# Altium PCB UHVValveCtrlv1.PcbDoc (continued)
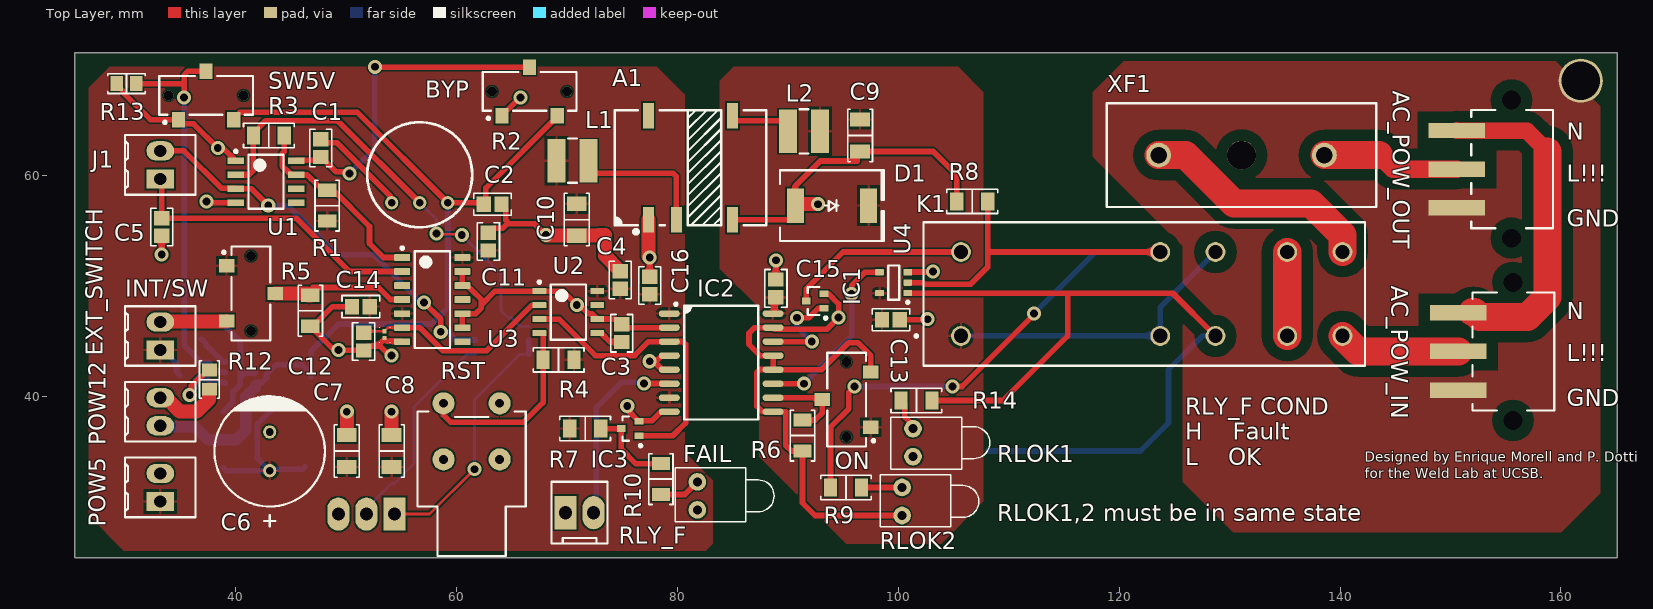
[diagram p0: Top Layer view]
## Part data (continued)
EXT_SWITCH J1 POW5 POW12: "TERM BLOCK 2POS SIDE ENT 2.54MM", Colour=Green, Manufacturer="TE Connectivity AMP Connectors", Supplier Part Number 1=A98333-ND, TemperatureRange="-40C ~ 105C", Voltage=150V, ComponentLink1Description=Datasheet, ComponentLink1URL=http://www.te.com/commerce/DocumentDelivery/DDEController?Action=srchrtrv&DocNm=282834&DocType=Customer+Drawing&DocLang=English, ComponentLink2Description="Digi-Key Listing", ComponentLink2URL=http://www.digikey.ca/product-detail/en/282834-2/A98333-ND/1150135, Number Of Levels=1, Orientation="Horizontal with Board", PartId=9289, Part Number=282834-2, Pitch="0.100\" (2.54mm)", Positions Per Level=2, Price=1.3, Supplier 1=Digi-Key
FAIL: library part LED1, "Typical RED GaAs LED", LatestRevisionDate=08-Jul-2005, LatestRevisionNote="Mech Layer 1 removed.", PackageDescription="LED; 2 Leads", PackageReference=LED-1, Published=8-Jun-2000, Publisher="Altium Limited"
IC1 IC3: "MOSFET N-CH 60V 280MA SOT-323", Current Continuous Drain="280mA (Ta)", Device Package="SC-70, SOT-323", Drain to Source Voltage (Vdss)=60V, Input Capacitance (Ciss) at Vds="43pF @ 25V", Manufacturer="Infineon Technologies", Power - Max=500mW, Supplier Part Number 1=BSS138WH6327XTSA1TR-ND, ComponentLink1Description=Datasheet, ComponentLink1URL=http://www.infineon.com/dgdl/Infineon-BSS138W-DS-v02_43-en.pdf?fileId=db3a304335113a6301351e62fcb4131f, ComponentLink2Description="Digi-Key Listing", ComponentLink2URL=http://www.digikey.com/product-detail/en/BSS138WH6327XTSA1/BSS138WH6327XTSA1TR-ND/5410120, Features="Logic Level Gate", Gate Charge (Qg)="1.5nC @ 10V", PartId=8084, Part Number=BSS138WH6327XTSA1, Price=0.0483, Rds On (Max) at Id, Vgs="3.5 Ohm @ 200mA, 10V", Supplier 1=Digi-Key, Type="MOSFET N-Channel, Metal Oxide", Vgs(th) (Max) at Id="1.4V @ 26uA"
IC2: library part Si8641BB-B-IS, "DGTL ISO 2.5KV GEN PURP 16SOIC", Device Package="16-SOIC (0.295\", 7.50mm Width)", Isolated Power=No, Manufacturer="Silicon Labs", Operating Temperature="-40C ~ 125C", Supplier Part Number 1=SI8641BB-B-IS-ND, Voltage - Isolation=2500Vrms, Voltage - Supply="2.5 V ~ 5.5 V", Channel Type=Unidirectional, Common Mode Transient Immunity (Min)=35kV/us, ComponentLink1Description=Datasheet, ComponentLink1URL=http://www.silabs.com/Support%20Documents/TechnicalDocs/Si864x.pdf, ComponentLink2Description="Digi-Key Listing", ComponentLink2URL=https://www.digikey.com/product-detail/en/silicon-labs/SI8641BB-B-IS/SI8641BB-B-IS-ND/4576743, Data Rate=150Mbps, Inputs - Side 1/Side2=3/1, Number of Channels=4, PartId=14408, Part Number=SI8641BB-B-IS, Price=3.81, Propagation Delay tpLH/tpHL (Max)="13ns, 13ns", Pulse Width Distortion (Max)=4.5ns, Rise / Fall Time (Typ)="2.5ns, 2.5ns", Supplier 1=Digi-Key, Technology="Capacitive Coupling", Type="General Purpose"
IC4: "IC REG BUCK ADJ 3A SYNC", Current Output=3A, Device Package="SOT-23-6 Thin, TSOT-23-6", Frequency - Switching=580kHz, Manufacturer="Texas Instruments", Operating Temperature="-45C ~ 125C (TJ)", Supplier Part Number 1=296-43393-2-ND, Voltage - Input (Max)=17V, Voltage - Input (Min)=4.5V, Voltage - Output (Max)=7V, Voltage - Output (Min/Fixed)=0.768V, ComponentLink1Description=Datasheet, ComponentLink1URL=http://www.ti.com/lit/ds/symlink/tps563201.pdf, ComponentLink2Description="Digi-Key Listing", ComponentLink2URL=http://www.digikey.com/product-detail/en/texas-instruments/TPS563201DDCT/296-43393-2-ND/5813458, Function=Step-Down, Number Of Outputs=1, Output Configuration=Positive, Output Type=Adjustable, PartId=16367, Part Number=TPS563201DDCT, Price=0.8901, Series="D-CAP2, Eco-Mode", Supplier 1=Digi-Key, Synchronous Rectifier=Yes, Topology=Buck, Type="DC DC Switching Regulators"
J2: library part 0022272031, "CONN HEADER 3POS .100 VERT TIN", Colour=Natural, Manufacturer="Molex, LLC", Supplier Part Number 1=WM4112-ND, ComponentLink1Description=Datasheet, ComponentLink1URL=http://www.molex.com/pdm_docs/sd/022272031_sd.pdf, ComponentLink2Description="Digi-Key Listing", ComponentLink2URL=http://www.digikey.com/product-search/en?keywords=22-27-2031, Contact Finish=Tin, Fastening Type="Friction Lock", Number Of Positions=3, Number Of Rows=1, Part Number=0022272031, PartId=9720, Pitch="0.100\" (2.54mm)", Price=0.35, Series="KK 6410", Supplier 1=Digi-Key, Type="Header, Unshrouded"
K1: library part CMP-1684-00019-1, "Force Guided Relay SR4 D/M, 5 V, 8 A, -25 to 70 degC, 10-Pin THD, RoHS, Box and Tube", Coil Current=33.33mA, Coil Resistance=720ohm, Coil Voltage DC=24V, Contact Current Rating=8A, Dropout Volt=2.4VDC, Manufacturer="TE Connectivity", Maximum Power Rating=2KVA, Operating Temp Range=-25Cto70C, Package / Case=DustCover, Package Description="10-Pin Through Hole device, Body 40 x 13 mm", Package Reference=THD, Pick-up Voltage (Max)=18VDC, Supplier Part Number 1=PB998-ND, Voltage Rating (VAC)=400V, Coil Suppression Diode=No, Contact Arrangement=DPST-NO/DPST-NC, Contact Form=2FormA/2FormB, Contact Material=AgSnO2, Datasheet URL=http://www.te.com/commerce/DocumentDelivery/DDEController?Action=showdoc&DocId=Data+Sheet%7FSR4_D%2FM%7F0415%7Fpdf%7FEnglish%7FENG_DS_SR4_DXM_0415.pdf%7F3-1415055-1, Datasheet Version="Rev. 0415", Dropout Volt (Min)=2.4VDC, LED Indicator=No, Manufacturer URL=http://www.te.com, Mounting Style=ThroughHole, Packaging=Tube, Pin Count=10, Product Depth (mm)=13mm, Product Height (mm)=16.5mm, Product Length (mm)=40mm, Push To Test Button=No, Rad Hardened=No, Relay Construction=Non-Latching, Seal=Unsealed, Supplier 1=Digi-Key, Supplier 2=Newark, Supplier Part Number 2=57AC7430, Termination Style=PCPin, Type=SafetyRelay
L1: "FIXED IND 4.7UH 1.43A 87 MOHM", Current - Saturation=1.43A, DC Resistance (DCR)="87 mOhm Max", Device Package=Nonstandard, Inductance=4.7uH, Manufacturer="TDK Corporation", Operating Temperature="-40C ~ 105C", Supplier Part Number 1=445-8737-2-ND, Tolerance=30%, ComponentLink1Description=Datasheet, ComponentLink1URL=https://product.tdk.com/info/en/catalog/datasheets/inductor_commercial_power_vlcf4024-2_en.pdf, ComponentLink2Description="Digi-Key Listing", ComponentLink2URL=https://www.digikey.com/product-detail/en/tdk-corporation/VLCF4024T-4R7N1R4-2/445-8737-2-ND/3083279, Current Rating=1.43A, Material - Core=Ferrite, PartId=16432, Part Number=VLCF4024T-4R7N1R4-2, Price=0.441, Series=VLCF, Shielding=Shielded, Supplier 1=Digi-Key, Type=Wirewound
L2: "FIXED IND 10UH 900MA 136 MOHM", Current - Saturation=900mA, DC Resistance (DCR)="136 mOhm Max", Device Package=Nonstandard, Inductance=10uH, Manufacturer="TDK Corporation", Operating Temperature="-40C ~ 105C", Supplier Part Number 1=445-8727-2-ND, Tolerance=20%, ComponentLink1Description=Datasheet, ComponentLink1URL=https://product.tdk.com/info/en/catalog/datasheets/inductor_commercial_power_vlcf4024-2_en.pdf, ComponentLink2Description="Digi-Key Listing", ComponentLink2URL=https://www.digikey.com/product-detail/en/tdk-corporation/VLCF4024T-100MR90-2/445-8727-2-ND/3083281, Current Rating=900mA, Material - Core=Ferrite, PartId=16429, Part Number=VLCF4024T-100MR90-2, Price=0.441, Series=VLCF, Shielding=Shielded, Supplier 1=Digi-Key, Type=Wirewound
R1: library part ERJ-8ENF1001V, "RES SMD 1K OHM 1% 1/4W 1206", Device Package="1206 (3216 Metric)", Manufacturer="Panasonic Electronic Components", PowerRating="0.25W, 1/4W", Supplier Part Number 1=P1.00KFTR-ND, TemperatureCoefficient=100ppm/C, TemperatureRange="-55C ~ 155C", Tolerance=1%, ComponentLink1Description=Datasheet, ComponentLink1URL=http://industrial.panasonic.com/www-cgi/jvcr13pz.cgi?E+PZ+3+AOA0002+ERJ8ENF1001V+7+WW, ComponentLink2Description="Digi-Key listing", ComponentLink2URL=http://digikey.com/product-detail/en/ERJ-8ENF1001V/P1.00KFTR-ND/86206, PartId=2958, Part Number=ERJ-8ENF1001V, Price=0.0093, Supplier 1=Digi-Key, Type="Thick Film"
R2: library part 91AR20KLF, "TRIMMER 20K OHM 3/8\" CERMET TH", Manufacturer="TT Electronics/BI", PowerRating="0.5W, 1/2W", Supplier Part Number 1=987-1170-ND, Tolerance=20%, Adjustment Type="Top Adjustment", ComponentLink1Description=Datasheet, ComponentLink1URL=http://www.bitechnologies.com/pdfs/91.pdf, ComponentLink2Description="Digi-Key Listing", ComponentLink2URL=http://www.digikey.ca/product-detail/en/91AR20KLF/987-1170-ND/2408748, Number Of Turns=Single, PartId=7167, Part Number=91AR20KLF, Price=2.25, Supplier 1=Digi-Key, Type="Through Hole"
R3: library part ERJ-8GEYJ514V, "RES SMD 510K OHM 5% 1/4W 1206", Device Package="1206 (3216 Metric)", Manufacturer="Panasonic Electronic Components", PowerRating="0.25W, 1/4W", Supplier Part Number 1=P510KETR-ND, TemperatureCoefficient=200ppm/C, TemperatureRange="-55C ~ 155C", Tolerance=5%, ComponentLink1Description=Datasheet, ComponentLink1URL=http://industrial.panasonic.com/www-cgi/jvcr13pz.cgi?E+PZ+3+AOA0001+ERJ8GEYJ514V+7+WW, ComponentLink2Description="Digi-Key Listing", ComponentLink2URL=https://www.digikey.com/product-detail/en/panasonic-electronic-components/ERJ-8GEYJ514V/P510KETR-ND/21336, PartId=11855, Part Number=ERJ-8GEYJ514V, Price=0.0045, Supplier 1=Digi-Key
R4 R5 R6 R8 R15: library part ERJ-8ENF1002V, "RES SMD 10K OHM 1% 1/4W 1206", Device Package="1206 (3216 Metric)", Manufacturer="Panasonic Electronic Components", PowerRating="0.25W, 1/4W", Supplier Part Number 1=P10.0KFTR-ND, TemperatureCoefficient=100ppm/C, TemperatureRange="-55C ~ 155C", Tolerance=1%, ComponentLink1Description=Datasheet, ComponentLink1URL=http://industrial.panasonic.com/www-cgi/jvcr13pz.cgi?E+PZ+3+AOA0002+ERJ8ENF1002V+7+WW, ComponentLink2Description="Digi-Key listing", ComponentLink2URL=http://digikey.com/product-detail/en/ERJ-8ENF1002V/P10.0KFTR-ND/89059, PartId=2956, Part Number=ERJ-8ENF1002V, Price=0.0093, Supplier 1=Digi-Key, Type="Thick Film"
R7 R9 R10 R14: library part ERJ-8ENF6200V, "RES SMD 620 OHM 1% 1/4W 1206", Device Package="1206 (3216 Metric)", Manufacturer="Panasonic Electronic Components", PowerRating="0.25W, 1/4W", Supplier Part Number 1=P620FTR-ND, TemperatureCoefficient=100ppm/C, TemperatureRange="-55C ~ 155C", Tolerance=1%, ComponentLink1Description=Datasheet, ComponentLink1URL=http://industrial.panasonic.com/www-cgi/jvcr13pz.cgi?E+PZ+3+AOA0002+ERJ8ENF6200V+7+WW, ComponentLink2Description="Digi-Key listing", ComponentLink2URL=http://digikey.com/product-detail/en/ERJ-8ENF6200V/P620FTR-ND/1746078, PartId=3356, Part Number=ERJ-8ENF6200V, Price=0.0093, Supplier 1=Digi-Key, Type="Thick Film"
R11: library part ERJ-P06D5492V, "RES SMD 54.9K OHM 0.5% 1/2W 0805", Device Package="0805 (2012 Metric)", Manufacturer="Panasonic Electronic Components", PowerRating="0.5W, 1/2W", Supplier Part Number 1=P16052TR-ND, TemperatureCoefficient=100ppm/C, TemperatureRange="-55C ~ 155C", Tolerance=0.5%, ComponentLink1Description=Datasheet, ComponentLink1URL=//media.digikey.com/pdf/Data%20Sheets/Panasonic%20Electronic%20Components/ERJ_PA2_P03_PA3_P06_P08_P14.pdf, ComponentLink2Description="Digi-Key Listing", ComponentLink2URL=https://www.digikey.com/product-detail/en/panasonic-electronic-components/ERJ-P06D5492V/P16052TR-ND/3982693, PartId=12299, Part Number=ERJ-P06D5492V, Price=0.0342, Supplier 1=Digi-Key
R12 R13: library part ERJ-P06F1002V, "RES SMD 10K OHM 1% 1/2W 0805", Device Package="0805 (2012 Metric)", Manufacturer="Panasonic Electronic Components", PowerRating="0.5W, 1/2W", Supplier Part Number 1=P16059TR-ND, TemperatureCoefficient=100ppm/C, TemperatureRange="-55C ~ 155C", Tolerance=1%, ComponentLink1Description=Datasheet, ComponentLink1URL=//media.digikey.com/pdf/Data%20Sheets/Panasonic%20Electronic%20Components/ERJ_PA2_P03_PA3_P06_P08_P14.pdf, ComponentLink2Description="Digi-Key Listing", ComponentLink2URL=https://www.digikey.com/product-detail/en/panasonic-electronic-components/ERJ-P06F1002V/P16059TR-ND/3982700, PartId=12237, Part Number=ERJ-P06F1002V, Price=0.0192, Supplier 1=Digi-Key
RLOK1 RLOK2: "Typical RED GaAs LED", LatestRevisionDate=08-Jul-2005, LatestRevisionNote="Mech Layer 1 removed.", PackageDescription="LED; 2 Leads", PackageReference=LED-1, Published=8-Jun-2000, Publisher="Altium Limited"
RLY_F: "CONN HEADER 2POS .100 VERT TIN", Colour=Natural, Manufacturer="Molex, LLC", Supplier Part Number 1=WM4111-ND, ComponentLink1Description=Datasheet, ComponentLink1URL=http://www.molex.com/pdm_docs/sd/022272021_sd.pdf, ComponentLink2Description="Digi-Key Listing", ComponentLink2URL=http://www.digikey.com/product-search/en?keywords=22-27-2021, Contact Finish=Tin, Fastening Type="Friction Lock", Number Of Positions=2, Number Of Rows=1, PartId=9719, Part Number=0022272021, Pitch="0.100\" (2.54mm)", Price=0.25, Series="KK 6410", Supplier 1=Digi-Key, Type="Header, Unshrouded"
RST: "SWITCH PUSH SPST-NO 0.4VA 28V", Illumination Type, Colour=-, Manufacturer="NKK Switches", Operating Temperature="-30C ~ 85C", Supplier Part Number 1=360-2604-ND, Actuator Type="Round, Button", Circuit=SPST-NO, ComponentLink1Description=Datasheet, ComponentLink1URL=http://2t70un3m1d9z1kztamkdrd38.wpengine.netdna-cdn.com/wp-content/uploads/2016/02/Apushbuttons-2.pdf, ComponentLink2Description="Digi-Key Listing", ComponentLink2URL=http://www.digikey.com/product-detail/en/nkk-switches/AB11AH-HC/360-2604-ND/1056046, Illumination Voltage=-, Mechanical Life="50,000 Cycles", PartId=16763, Part Number=AB11AH-HC, Price=5, Series=AB, Supplier 1=Digi-Key, Switch Function=Off-Mom, Type=Standard
U1: library part CMP-1305-00058-1, "Single Comparator, 5 to 30 V, 0 to 70 degC, 8-Pin SOIC, Pb-Free, Tape and Reel", Manufacturer="On Semiconductor", ComponentLink1Description="Manufacturer URL", ComponentLink1URL=http://www.onsemi.com/, ComponentLink2Description=Datasheet, ComponentLink2URL=http://www.onsemi.com/pub_link/Collateral/LM211-D.PDF, ComponentLink3Description="Package Specification", ComponentLink3URL=http://www.onsemi.com/pub_link/Collateral/751-07.PDF, DatasheetVersion="Rev. 6", ICC Typ (mA)=2.4, Mounting Technology="Surface Mount", PackageDescription="8-Pin Small Outline Integrated Circuit, Body 4.9 x 3.9 mm, Pitch 1.27 mm", PackageReference=SOIC-8-751-07, PackageVersion="Rev. AK, 02/2011", Packing="Tape and Reel", PartNumber=LM311DR2G, RoHS=TRUE, VCC Max (V)=30, VCC Min (V)=5
U2: library part CMP-2000-06840-1, "Precision Timer, 4.5 to 16 V, 0 to 70 degC, 8-Pin SOIC (D), Green (RoHS & no Sb/Br), Tube", Digital IC Case Style=SOIC, Frequency=500kHz, IC Temperature Range=Commercial, Manufacturer="Texas Instruments", Operating Frequency Max=0.5MHz, Operating Mode=Astable,Monostable, Operating Temperature Max=70°C, Operating Temperature Min=0°C, Operating Temperature Range=0°Cto+70°C, Package Description="8-Pin Small Outline Integrated Circuit, Body 4.9 x 3.9 mm, Pitch 1.27 mm", Package Reference=D8, PartNumber=NE555, Supply Voltage Max=16V, Supply Voltage Min=4.5V, Supply Voltage Range=4.5Vto16V, Base Number=555, Clock External Input=No, Datasheet URL=http://www.ti.com/general/docs/lit/getliterature.tsp?genericPartNumber=NE555&fileType=pdf, Datasheet Version="Rev. I, 09/2014", Device Marking=NE555D, IC Generic Number=555, Logic Function Number=555, Manufacturer URL=http://www.ti.com/, Mounting Technology=SurfaceMount, No. of Channels=1, No. of Pins=8, No. of Timers=1, Package / Case=SOIC, Package URL=http://www.ti.com/lit/ml/msoi002j/msoi002j.pdf, SVHC=NoSVHC(19-Dec-2012)
U3: library part CMP-0777-00096-3, "High Speed CMOS Logic Dual 4-Input AND Gates, D0014A, LARGE T&R", F @ Nom Voltage(Max)(Mhz)=70, Generic Part Number=CD74HC21, ICC @ Nom Voltage(Max)(mA)=0.02, Manufacturer="Texas Instruments", Operating Temperature Range(C)="-55 to 125", Rating=Catalog, tpd @ Nom Voltage(Max)(ns)=28, Voltage(Nom)(V)=5, Bits(#)=2, DatasheetVersion=SCHS131C, Input Type=CMOS, Output Drive (IOL/IOH)(Max)(mA)=-5.2/5.2, Output Type=CMOS, PackageReference=D0014A, Schmitt Trigger=No, Technology Family=HC, VCC(Max)(V)=6, VCC(Min)(V)=2
U4: library part CMP-0859-00174-3, "Single 2-Input Exclusive-OR Gate, DBV0005A, LARGE T&R", F @ Nom Voltage(Max)(Mhz)=150, Generic Part Number=SN74LVC1G86, ICC @ Nom Voltage(Max)(mA)=0.01, Manufacturer="Texas Instruments", Operating Temperature Range(C)="-40 to 125,-40 to 85", Rating=Catalog, tpd @ Nom Voltage(Max)(ns)=9.9,5.5,5,4, Voltage(Nom)(V)=1.8,2.5,3.3,5, 3-State Output=No, Bits(#)=1, DatasheetVersion=SCES222O, Gate Type=XOR, Input Type=CMOS/TTL, Logic=True, Output Drive (IOL/IOH)(Max)(mA)=32/-32, Output Type=CMOS, PackageReference=DBV0005A, Schmitt Trigger=No, Sub-Family="XOR Gate", Technology Family=LVC, VCC(Max)(V)=5.5, VCC(Min)(V)=1.65
U5: library part CMP-0384-00855-1, "Double Channel Ultra Low Noise Operational Amplifier, 6.5 MHz BW, 12 V/us SR, Industrial, 8-pin SOIC (R-8), Tube", Amplifiers Per Package=2, Generic Part Number=ADA4075-2, Input Bias Current=30nA, Input Offset Voltage=300uV, Manufacturer="Analog Devices", Code_JEDEC=MS-012-AA, ComponentLink1Description="Manufacturer URL", ComponentLink1URL=http://www.analog.com/en/index.html, ComponentLink2Description=Datasheet, ComponentLink2URL=http://www.analog.com/static/imported-files/data_sheets/ADA4075-2.pdf, ComponentLink3Description="Package Specification", ComponentLink3URL=http://www.analog.com/static/imported-files/packages/PKG_PDF/SOIC_Narrow%20(R)/R_8.pdf, DatasheetVersion="Rev. B", Iq/Amp=1.8mA, Mounting Technology="Surface Mount", PackageDescription="8-Pin Standard Small Outline Package, Body 3.9 x 4.9 mm, Pitch 1.27 mm", PackageReference=R-8, PackageVersion=060506-A, PartNumber=ADA4075-2ARZ, Slew Rate=12V/us, Small Signal Bandwidth=6.5MHz, V Span Max=36V, V Span Min=24V
XF1: library part CMP-1502-00234-1, "WR-FSH Fuse Holder Blocks Fuse Holder Blocks Clip Cover for PCB", Manufacturer="Wurth Elektronik", Operating Temperature=-30to120degC, Datasheet URL=https://katalog.we-online.de/em/datasheet/696105003002.pdf, Fuse Size=5x20mm, Manufacturer URL=http://www.we-online.de, Mounting Technology=THT, Package Reference=696105003002, Packaging=Box, Part Number=696105003002, Publisher=WurthElektronik

## Free pads (board coordinates)
  rect 2.2x2.7 smd far side: 1(38.862,38.618) 2(38.862,33.518)
  rect 0.35x0.4 smd mask+0.03: 1(53.467,45.283) 2(53.467,45.903)
  round 4 hole 3.5: 3(161.798,68.58)

## Via types
v1: diameter 1.27, hole 0.711, Top Layer to Bottom Layer, 36 vias

## Nets (pads, with @x,y where several pads share a name; then routed paths per layer and width w, separated by ;. In a path a pad name is that pad's centre, name@x,y a point inside that pad or via, vN(x,y) a via of type N, cw(c..) or ccw(c..) an arc to the next point about the centre after c; other vN are vias at no path point)
+5: C4.2 C6.1 C7.1 C8.1 C10.2 C11.1 C14.1 C16.1 C21.2 C22.2 EXT_SWITCH.1 IC2.1 IC2.7 INT/SW.1 L1.1 pad.2@38.862,33.518 POW5.1 R1.2 R4.2 R7.1 R11.2 U2.8 U3.5 U3.14 | length 17.6
  Bottom Layer w0.508: EXT_SWITCH.1 33.399,44.196 34.618,42.977 34.618,42.231 R11.2 ; pad.2@38.862,33.518 39.106,33.274 C6.1 ; C21.2@43.254,39.116 43.254,38.809 41.945,37.5 41.945,34.382 C6.1 ; C22.2 46.032,33.406 43.185,33.406 C6.1
+5_OUT: C9.1 C13.1 C15.1 D1.2 IC2.16 K1.12 K1.21 K1.A1 L2.2 ON.1 U4.5 | length 29.4
  Top Layer w0.508: IC2.16 88.731,47.498 88.774,47.54 88.774,48.858 C15.1
  Bottom Layer w0.508: K1.A1 109.713,45.476 109.728,45.491 123.696,45.491 K1.21 123.711,48.076 K1.12
+12: BYP.3 C2.1 C18.2 C19.2 C20.2 IC4.3 POW12.1 R2.3 SW5V.3 | length 82.4
  Top Layer w0.508: SW5V.3 39.794,65.159 40.357,65.722 50.991,65.722 R2.3 62.446,57.531 C2.1 62.639,57.597 62.639,58.866 69.093,65.32 BYP.3
  Bottom Layer w0.508: IC4.3 41.807,41.26 42.375,41.26 42.769,41.654 42.769,41.981 43.638,42.85 C20.2 45.98,42.85 C19.2@46.81,42.02 ; C19.2 C19.2@46.81,42.02 ; R2.3 59.207,57.506 59.207,48.031 57.732,46.556 C18.2 49.28,46.556 46.81,44.086 C19.2@46.81,42.02
  Bottom Layer w1.016: POW12.1@33.239,37.246 36.284,37.246 37.462,36.068 40.019,36.068 40.89,36.939 40.89,39.958 41.761,40.829 IC4.3@41.761,40.975
  Bottom Layer w1.27: POW12.1 POW12.1@33.239,37.246
AC_GND: AC_POW_IN.3 AC_POW_OUT.3 pad.3
AC_LIVE: K1.34 K1.44 | length 7.6
  Top Layer w2.54: K1.44 K1.34
AC_LIVE_Fuse: AC_POW_OUT.2 XF1.2 | length 12.5
  Top Layer w1.6: 143.515,61.849 144.785,60.579 AC_POW_OUT.2
  Top Layer w2.54: XF1.2 143.515,61.849
AC_LIVE_IN: AC_POW_IN.2 K1.43 | length 11.1
  Top Layer w2.54: K1.43 141.618,44.069 AC_POW_IN.2
AC_LIVE_OUT: K1.33 XF1.1 | length 21.2
  Top Layer w2.54: XF1.1 126,61.849 130.386,57.462 137.356,57.462 140.211,54.607 K1.33
AC_NEUTRAL: AC_POW_IN.1 AC_POW_OUT.1 | length 29.9
  Top Layer w1.5: AC_POW_OUT.1 150.609,64.045 156.935,64.045 158.788,62.192
  Top Layer w2.54: AC_POW_IN.1@151.982,47.625 152.175,47.625 152.617,47.183 156.951,47.183 158.788,49.02 158.788,62.192
GND: A1.1 BYP.1 C1.2 C2.2 C3.1 C4.1 C5.2 C6.2 C7.2 C8.2 C10.1 C11.2 C12.2 C14.2 C16.2 C18.1 C19.1 C20.1 C21.1 C22.1 FAIL.2 IC2.2 IC2.4 IC2.5 IC2.8 IC3.3 IC4.1 J2.3 pad.1@53.467,45.283 POW5.2 POW12.2 R2.1 R5.1 R12.1 R13.1 RLY_F.1 RST.3 SW5V.1 U1.1 U1.4 U2.1 U2.6 U3.7 U3.9 U3.10 U3.12 U3.13 | length 114.1
  Top Layer w0.508: R13.1 29.21,68.226 29.877,67.559 29.877,67.441 32.258,65.059 SW5V.1 34.794,65.028 35.14,64.682 36.156,64.682 v1(38.354,62.484) 38.843,62.484 U1.1 ; v1(33.274,52.832) C5.2 ; v1(37.338,57.658) 37.465,57.531 U1.4 ; C1.2 47.998,62.965 49.141,62.965 53.97,58.137 53.97,57.663 R2.1 ; C14.2 48.742,48.133 46.961,46.352 R5.1 48.892,44.196 v1(49.276,44.196) 49.295,44.177 51.543,44.177 C12.2 51.958,44.554 52.826,44.554 ; v1(54.102,43.688) 53.896,43.688 53.03,44.554 52.826,44.554 ; U3.7 55.014,45.004 53.658,45.004 53.467,45.195 52.826,44.554 ; U3.9 U3.10 61.722,47.498 62.23,48.006 62.23,48.298 ; U3.13 U3.12 60.935,50.038 61.365,49.608 61.384,49.608 62.23,48.762 62.23,48.298 ; C11.2 63.261,55.209 64.147,55.209 64.564,55.626 64.77,55.626 ; C2.2 64.442,57.008 64.442,55.954 64.77,55.626 ; BYP.1 65.729,67.056 v1(65.786,67.056) ; v1(68.072,54.61) 67.056,55.626 64.77,55.626 ; v1(75.438,39.116) 75.438,38.788 IC3.3 76.538,37.78 77.658,37.78 78.486,38.608 IC2.8 ; A1.1 A1.1@77.406,55.942 ; C16.2 v1(77.47,52.578) ; IC2.5@79.229,42.436 IC2.5 78.572,42.418 77.956,43.034 77.616,43.034 v1(77.47,43.18) 77.616,43.326 78.21,43.326 78.572,43.688 IC2.4 ; IC2.2 75.222,46.228 C3.1 74.88,46.52 74.41,46.99 U2.6 72.242,47.477 71.923,47.477 71.14,48.26 v1(70.866,48.26) 69.596,49.53 U2.1 63.462,49.53 62.23,48.298
  Top Layer w1.27: POW12.2 33.652,39.878 34.922,38.608 36.445,38.608 37.552,39.715 37.552,40.6 R12.1 ; C7.2 v1(50.038,38.608) ; C8.2 v1(54.102,38.608) ; v1(68.072,54.61) 68.125,54.557 C10.1 70.881,54.572 72.86,54.572 72.898,54.61 73.406,54.61 73.406,52.743 74.738,51.411 74.738,51.361 74.753,51.346 C4.1 ; A1.1 77.343,52.705 v1(77.47,52.578)
GND_Out: A1.7 C9.2 C13.2 C15.2 D1.1 IC1.3 IC2.9 IC2.12 IC2.13 IC2.15 ON.3 R6.1 R8.2 R15.2 RLOK1.2 RLOK2.2 U4.3 | length 92
  Top Layer w0.508: A1.7 90.655,56.007 D1.1 90.655,59.052 92.918,61.316 96.266,61.316 96.266,62.177 C9.2 103.149,62.177 105.28,60.046 R8.2 ; C15.2 v1(88.9,52.324) ; IC1.3 93.66,49.291 94.578,48.374 v1(94.578,47.13) 93.523,46.076 88.799,46.076 IC2.15 86.97,46.228 86.462,45.72 86.462,44.704 87.478,43.688 IC2.13 IC2.12 ; ON.3 97.501,43.688 96.332,44.856 95.492,44.856 93.054,42.418 IC2.12 ; C13.2 102.564,46.938 v1(102.616,46.99) ; RLOK2.2 92.456,29.21 91.313,30.353 R6.1 90.3,35.049 89.789,35.56 89.789,38.608 IC2.9 87.681,38.608 87.173,39.116 87.173,42.164 87.427,42.418 IC2.12 ; U4.3 100.864,51.263 103.079,51.263 v1(103.124,51.308)
  Top Layer w1.27: D1.1 90.782,57.404 v1(92.71,57.404)
NetA1_3: A1.3 L1.2 | length 13.1
  Top Layer w0.508: L1.2 71.935,60.198 79.604,60.198 79.883,59.919 A1.3
NetA1_8: A1.8 L2.1 | length 6.4
  Top Layer w0.508: A1.8 84.963,64.948 89.99,64.948 L2.1
NetBYP_2: BYP.2 C1.1 U1.8 | length 30.2
  Top Layer w0.508: U1.8 45.512,61.387 47.382,61.387 C1.1 47.729,61.684 49.069,60.344 50.146,60.344 v1(50.292,60.198) ; v1(52.578,69.85) 52.608,69.82 BYP.2
  Bottom Layer w0.508: v1(50.292,60.198) 52.578,62.484 v1(52.578,69.85)
NetC3_2: C3.2 U2.5 | length 2.5
  Top Layer w0.508: U2.5 73.079,45.72 73.865,44.934 74.916,44.934 C3.2
NetC5_1: C5.1 J1.1 U3.2 | length 27.5
  Top Layer w0.508: J1.1 33.274,59.69 C5.1 45.466,56.134 50.292,51.308 U3.2
NetC12_1: C12.1 pad.2@53.467,45.903 U2.2 U3.6 | length 18.7
  Top Layer w0.254: C12.1 51.707,45.903 53.467,45.903 53.467,45.928 53.767,46.228 U3.6
  Top Layer w0.508: U3.6 56.642,46.228 58.725,44.145 62.713,44.145 66.827,48.26 U2.2
NetC17_1: C17.1 IC4.6 | length 3.1
  Bottom Layer w0.508: C17.1 36.88,45.174 37.276,44.778 37.276,44.649 38.811,43.114 IC4.6
NetC17_2: C17.2 IC4.2 pad.1@38.862,38.618 | length 12.9
  Bottom Layer w0.508: C17.2 38.57,46.774 40.386,44.958 40.386,41.656 ; pad.1@38.862,38.618 39.708,39.464 39.708,40.393 40.386,41.071 40.386,41.656 ; IC4.2 41.715,42.118 40.848,42.118 40.386,41.656
NetEXT_SWITCH_2: EXT_SWITCH.2 INT/SW.3 | length 6
  Top Layer w1.27: EXT_SWITCH.2 33.196,46.785 39.116,46.785 INT/SW.3
NetFAIL_1: FAIL.1 R10.2 | length 3.8
  Top Layer w0.508: R10.2 80.642,31.112 FAIL.1
NetIC1_2: IC1.2 K1.A2 | length 16.5
  Top Layer w0.508: IC1.2 91.656,49.746 94.986,53.076 K1.A2
NetIC2_6: IC2.6 RLY_F.2 | length 17.4
  Top Layer w0.508: v1(76.944,41.166) 79.229,41.166 IC2.6
  Bottom Layer w0.508: RLY_F.2@72.644,29.21 72.644,38.989 74.93,41.275 76.835,41.275 v1(76.944,41.166)
NetIC2_10: IC2.10 ON.2 R6.2 | length 7.9
  Top Layer w0.508: IC2.10 92.532,39.878 92.532,39.707 ON.2 93.101,38.494 92.456,37.849 R6.2
NetIC3_2: IC3.2 R7.2 R10.1 | length 7.9
  Top Layer w0.508: R7.2 IC3.2 74.905,37.084 74.905,35.207 76.2,33.912 R10.1
NetIC4_4: IC4.4 R11.1 R12.2 | length 7.7
  Top Layer w0.508: v1(35.814,40.132) 35.96,40.278 35.96,40.976 36.707,41.723 36.825,41.723 37.492,42.39 R12.2
  Bottom Layer w0.508: v1(35.814,40.132) 35.814,40.338 36.368,40.892 36.368,41.489 36.689,41.81 37.01,41.489 37.52,41.489 37.749,41.26 38.965,41.26 IC4.4
NetIC4_5: IC4.5 R13.2 SW5V.2 | length 35.8
  Top Layer w0.508: R13.2 35.073,68.326 35.306,68.093 ; v1(35.306,67.056) 35.306,68.093 ; SW5V.2 35.662,69.459 35.306,69.103 35.306,68.326 35.306,68.093
  Bottom Layer w0.508: v1(35.306,67.056) 35.306,44.63 36.843,43.093 37.514,43.093 38.397,42.21 38.965,42.21 IC4.5
NetINT_SWITCH_2: INT/SW.2 R5.2 U3.4 | length 12.7
  Top Layer w0.508: R5.2 46.965,49.152 46.965,49.86 52.908,49.86 54,48.768 U3.4
  Top Layer w1.27: INT/SW.2 46.413,49.32 46.581,49.152 R5.2
NetJ1_2: J1.2 U1.3 U5.3 | length 36.3
  Top Layer w0.508: J1.2 35.306,62.23 38.689,58.847 39.94,58.847 U1.3 41.402,58.801 v1(42.926,57.277) ; v1(57.023,48.514) 58.547,46.99 v1(58.547,45.847)
  Bottom Layer w0.508: v1(42.926,57.277) 44.704,57.277 49.149,52.832 52.451,52.832 56.769,48.514 v1(57.023,48.514) ; v1(58.547,45.847) 59.134,45.847 59.879,45.103 61.704,45.103 U5.3
NetJ2_1: J2.1 U5.6 U5.7 | length 23.1
  Top Layer w0.254: J2.1 57.531,29.337 v1(61.595,33.401)
  Bottom Layer w0.254: v1(61.595,33.401) 61.595,39.688 65.722,43.815 U5.7
  Bottom Layer w0.508: U5.7 U5.6
NetJ2_2: J2.2 U5.2 | length 19.2
  Bottom Layer w0.254: J2.2 51.816,29.837 54.101,32.122 54.347,32.122 56.134,33.909 56.134,39.027 60.922,43.815 U5.2
NetR1_1: R1.1 R3.2 U1.7 U3.1 | length 18.1
  Top Layer w0.508: R3.2 44.38,62.16 44.198,61.978 44.198,60.831 44.552,60.476 44.601,60.476 45.006,60.071 U1.7 46.434,60.071 46.788,59.717 47.828,58.677 R1.1 48.816,58.677 52.095,55.397 52.095,53.848 53.365,52.578 U3.1
NetR2_2: R2.2 R3.1 U1.2 U5.5 | length 40.9
  Top Layer w0.254: v1(58.166,54.737) 58.229,54.673 60.389,54.673 v1(60.452,54.61)
  Top Layer w0.508: U1.2 41.199,60.071 41.58,60.452 R3.1 41.58,63.852 42.688,64.96 49.213,64.96 R2.2
  Bottom Layer w0.254: R2.2 58.166,56.007 v1(58.166,54.737) ; v1(60.452,54.61) 64.008,51.054 64.008,47.752 64.673,47.087 64.99,47.087 65.722,46.355 U5.5
NetR4_1: R4.1 RST.1 U2.4 | length 17.7
  Top Layer w0.508: RST.1 58.801,38.303 59.436,37.668 66.04,37.668 67.815,39.443 R4.1 67.815,45.72 U2.4
NetR9_2: R9.2 RLOK2.1 | length 3.7
  Top Layer w0.508: R9.2 RLOK2.1
NetR14_1: R14.1 RLOK1.1 | length 3
  Top Layer w0.508: R14.1 100.576,39.278 100.576,38.118 101.319,37.376 RLOK1.1
ON/OFF: IC2.3 IC3.1 U2.3 | length 27.1
  Top Layer w0.508: U2.3 69.266,46.99 72.568,43.688 76.108,43.688 77.378,44.958 IC2.3 80.467,44.958 80.721,44.704 80.721,37.592 79.563,36.434 IC3.1
ON/OFF_ISO: IC1.1 IC2.14 | length 9
  Top Layer w0.508: IC2.14 v1(92.151,44.958) ; v1(90.805,47.117) 91.897,47.117 92.771,47.991 IC1.1
  Bottom Layer w0.508: v1(90.805,47.117) 90.805,46.304 v1(92.151,44.958)
RLY1: K1.22 R14.2 R15.1 U4.1 | length 75.8
  Top Layer w0.508: U4.1 115.316,49.342 ; R14.2 109.474,39.624 115.316,45.466 115.316,49.342 ; K1.22 124.845,49.342 115.316,49.342
  Bottom Layer w0.508: R15.1 121.92,35.052 124.46,37.592 124.46,42.418 127.518,45.476 K1.22
RLY2: K1.11 R8.1 R9.1 U4.2 | length 72.3
  Top Layer w0.508: R9.1 93.85,37.208 95.504,38.862 95.504,40.386 ; v1(96.012,40.894) 96.012,40.919 96.241,41.148 v1@96.012,41.148 ; U4.2 102.219,50.292 102.346,50.165 106.553,50.165 108.08,51.692 108.08,53.34 ; v1(104.902,40.894) 105.766,40.894 112.268,47.396 v1(112.268,47.498) ; R8.1 108.08,53.34 ; K1.11 108.344,53.076 108.08,53.34
  Bottom Layer w0.508: v1(96.012,40.894) v1(104.902,40.894) ; v1(112.268,47.498) 117.846,53.076 K1.11
RLYFAULT: IC2.11 U4.4 | length 16.5
  Top Layer w0.508: IC2.11 v1(91.44,41.148) ; v1(95.758,49.276) 95.758,50.038 96.962,51.242 U4.4
  Bottom Layer w0.508: v1(91.44,41.148) 95.758,45.466 v1(95.758,49.276)
pads on no net: A1.14 AC_POW_IN.M AC_POW_OUT.M BYP.MH1 BYP.MH2 INT/SW.MH1 INT/SW.MH2 ON.MH1 ON.MH2 RST.2 RST.4 SW5V.MH1 SW5V.MH2 U1.5 U1.6 U2.7 U3.3 U3.8 U3.11 U5.1 U5.4 U5.8 XF1.MH1

## Polygon pours and split planes (outlines as drawn)
GND on Bottom Layer "GND_L02_P004" (solid, pour order 4): 27.305,68.58 28.575,68.58 29.845,69.85 78.105,69.85 80.645,67.31 80.645,34.925 83.185,32.385 83.185,26.67 82.55,26.035 29.845,26.035 26.67,29.21 26.67,67.945
GND_Out on Bottom Layer "GND_OUT_L02_P009" (solid, pour order 9): 85.09,69.85 83.82,68.58 83.82,51.562 87.376,48.006 87.376,34.544 95.25,26.67 103.886,26.67 107.442,30.226 107.442,67.818 105.41,69.85
+5 on Top Layer "+5_L01_P006" (solid, pour order 6): 27.305,68.58 28.575,69.85 78.105,69.85 80.645,67.31 80.645,34.925 83.185,32.385 83.185,26.67 82.55,26.035 29.845,26.035 26.67,29.21 26.67,67.945
+5_OUT on Top Layer "+5_OUT_L01_P007" (solid, pour order 7): 85.09,69.85 83.82,68.58 83.82,51.562 87.376,48.006 87.376,34.544 95.25,26.67 103.886,26.67 107.696,30.48 107.696,67.564 105.41,69.85
AC_GND on Top Layer "Top Layer-AC_GND" (solid, pour order 12): 160.02,27.686 130.302,27.686 125.73,32.258 125.73,53.594 117.602,61.722 117.602,67.564 120.396,70.358 159.512,70.358 163.576,66.294 163.576,31.242

## Other copper
Top Layer:
  region: 72.729,45.72

## Silkscreen, mask and mechanical layers (free items; w line width, h text height)
Top Overlay:
  lines w0.1: 52.959,44.918 53.015,44.918 ; 52.959,46.268 53.015,46.268 ; 53.919,44.918 53.975,44.918 ; 53.919,46.268 53.975,46.268
  text "N" at 160.528,63.246 h1.52
  text "L!!!" at 160.528,59.436 h1.52
  text "GND" at 160.528,55.372 h1.52
  text "N" at 160.528,46.99 h1.52
  text "L!!!" at 160.528,43.18 h1.52
  text "GND" at 160.528,39.116 h1.52
  text "RLY_F COND / H    Fault / L    OK" at 125.984,33.782 h1.52
  text "Designed by Enrique Morell and P. Dotti / for the Weld Lab at UCSB." at 142.24,32.258 h1.52
  text "RLOK1,2 must be in same state" at 108.966,28.702 h1.52
  text "P" at 129.54,9.652 h10
  text "p" at 118.463,9.062 h5
  text "W" at 107.188,4.953 h10
Bottom Overlay:
  lines w0.2: 35.262,38.608 35.262,32.468 37.362,32.468 ; 40.362,32.468 42.462,32.468 ; 40.362,39.668 42.462,39.668
Border (Mech3):
  the board outline again, w0.254
Mechanical 13:
  lines w0.1: 35.262,32.468 42.462,32.468 42.462,39.668 35.262,39.668 35.262,32.468 ; 53.302,45.278 53.302,45.908 53.632,45.908 53.632,45.278 53.302,45.278
Mechanical 15:
  lines w0.05: 35.012,31.643 42.712,31.643 42.712,40.493 35.012,40.493 35.012,31.643 ; 53.117,44.843 53.117,46.343 53.817,46.343 53.817,44.843 53.117,44.843
  lines w0.1: 38.362,36.068 39.362,36.068 ; 38.862,35.568 38.862,36.568 ; 53.302,45.593 53.632,45.593 ; 53.467,45.428 53.467,45.758